# Altium PCB Archimajor.PcbDoc (part 7 of 13)
Units mil, origin at the board's own origin, x right, y up, seen from the top; angles counter-clockwise.
Board outline 7480.32 x 5511.81 mil, 6 copper layers (Top Layer, Top GND, Power Plane, Mid1, Bot GND, Bottom Layer), stack 69.913 mil thick; 1038 components, 682 nets, 3229 pads, 2870 vias.
Unrouted connection lines stored in the file: 97.
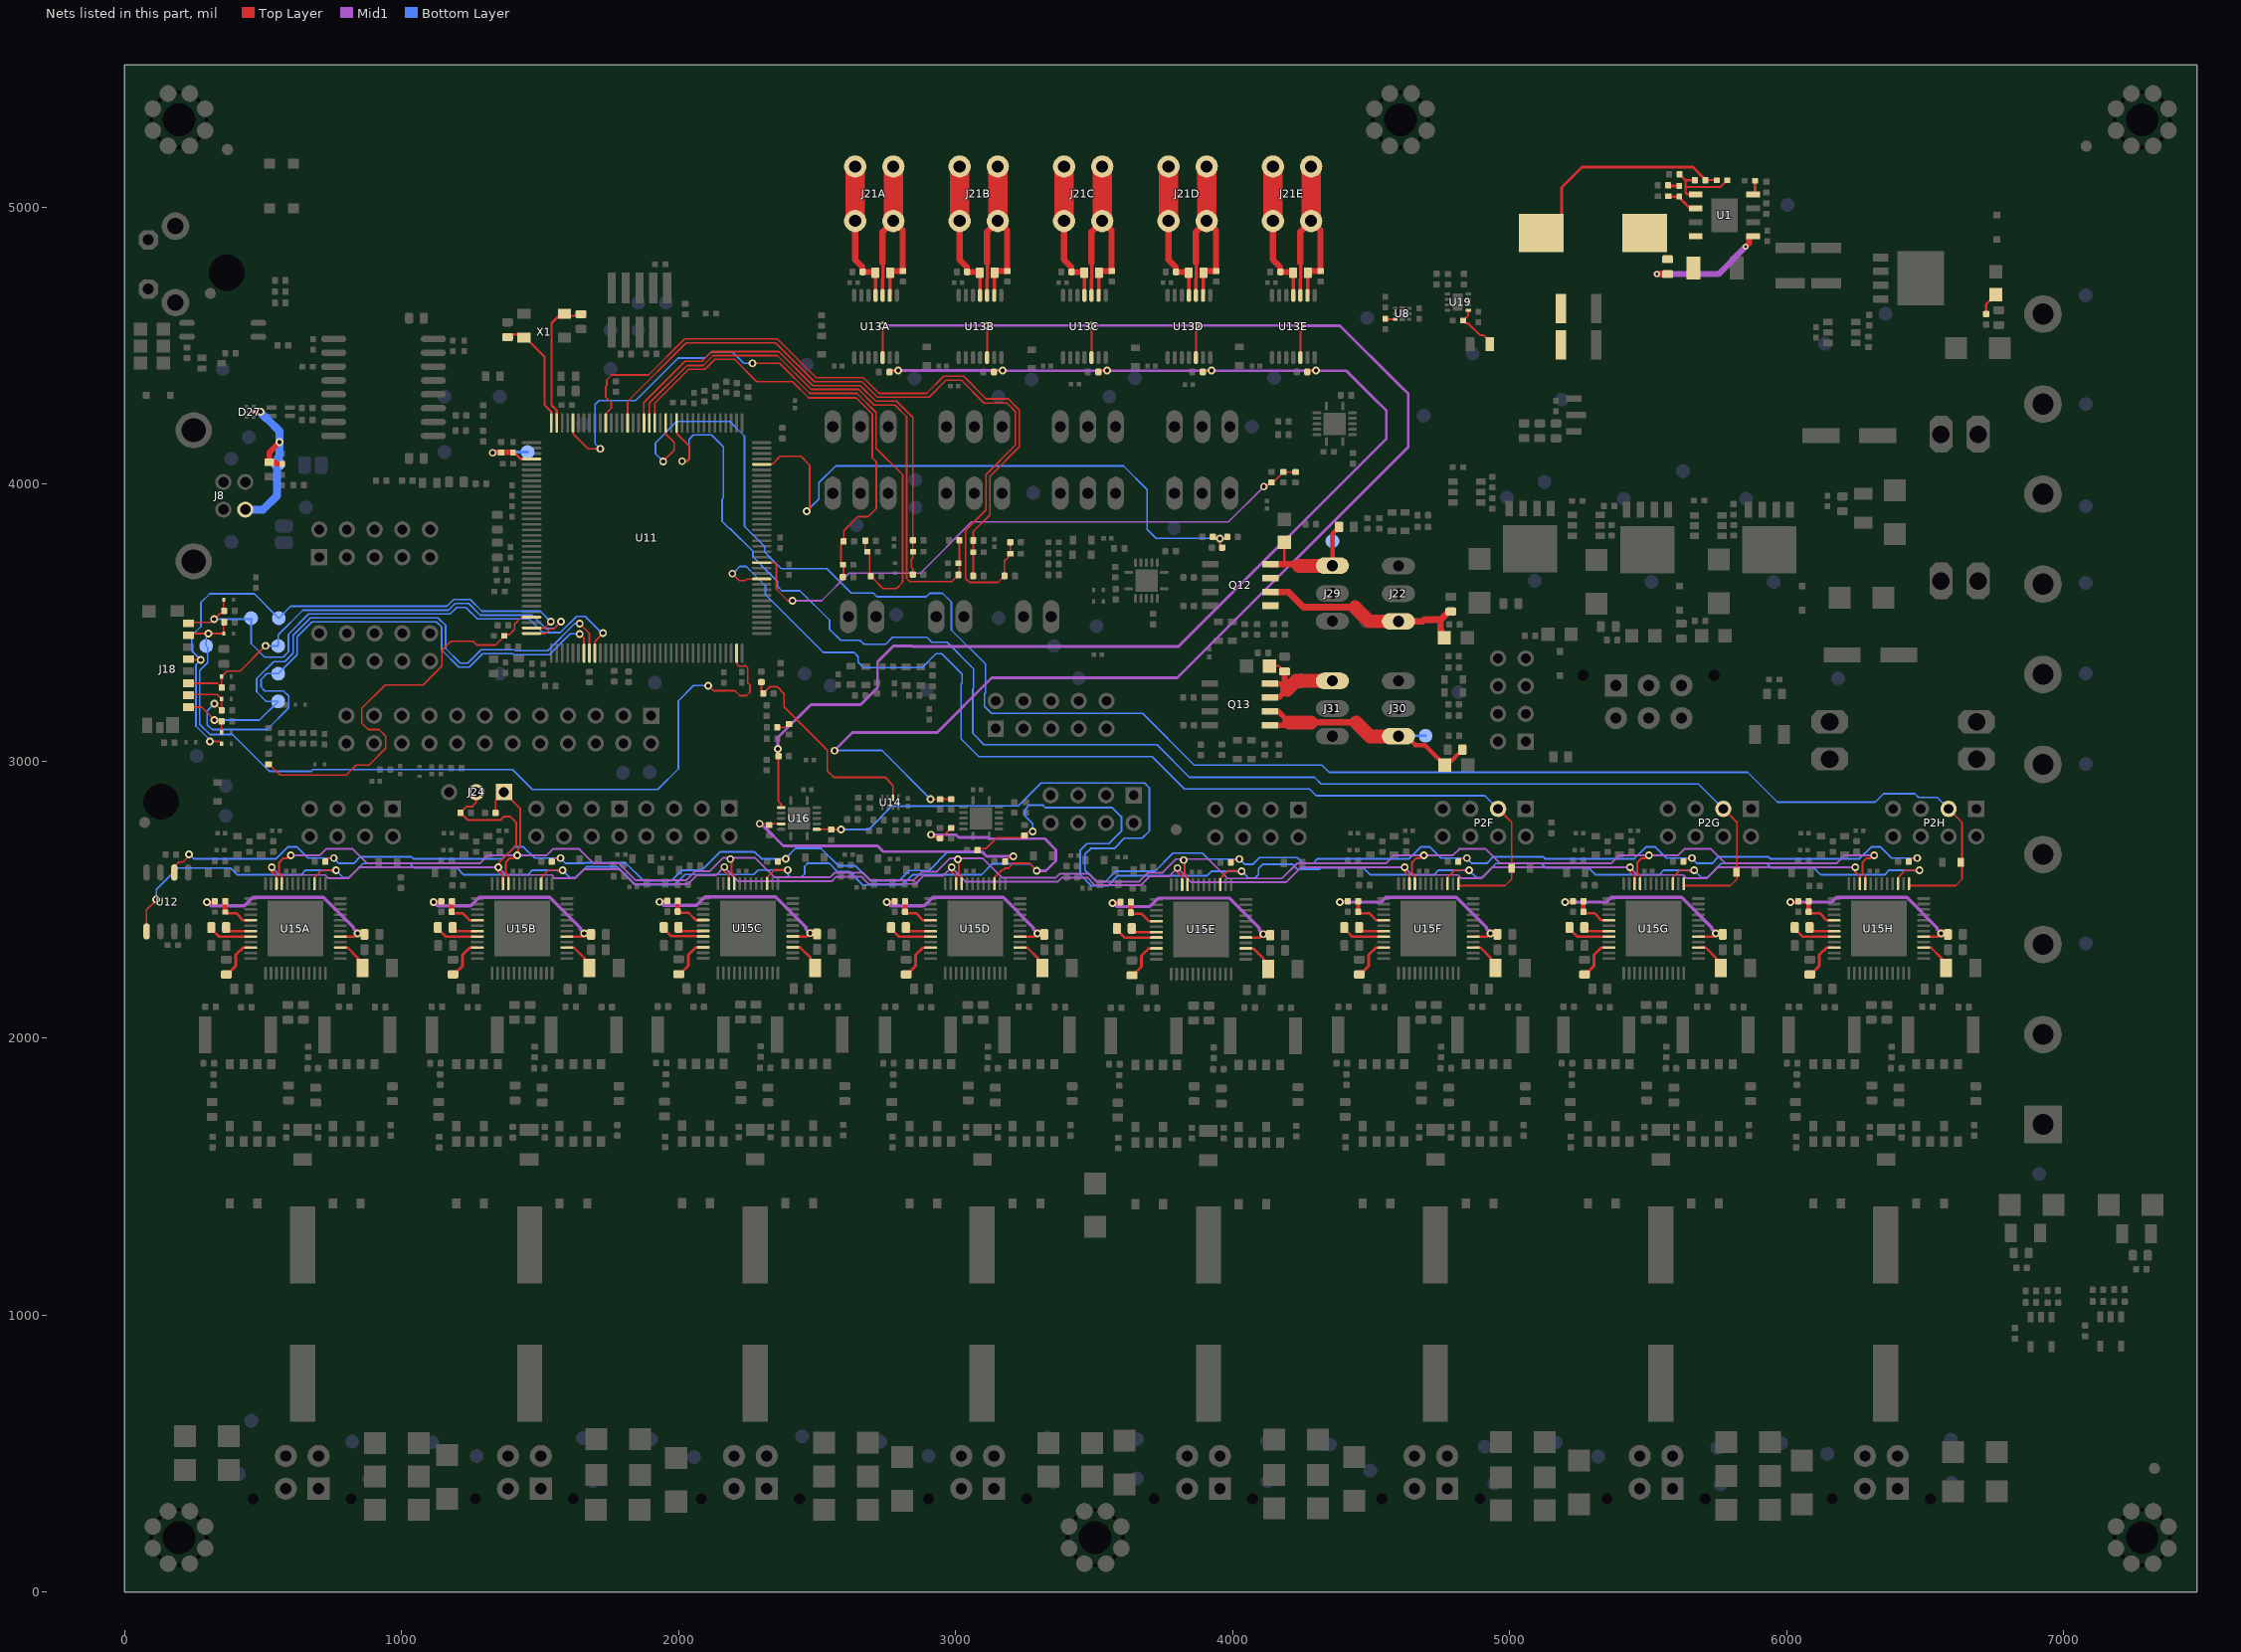
[diagram p11: the nets of this part, all layers, seen from the top]

## Via types
v1: diameter 28, hole 15, Top Layer to Bottom Layer, tented both sides, 2412 vias
v2: diameter 22, hole 10, Top Layer to Bottom Layer, 302 vias
v3: diameter 28, hole 15, Top Layer to Bottom Layer, 113 vias
v4: diameter 29, hole 15, Top Layer to Bottom Layer, tented both sides, 16 vias
v5: diameter 30, hole 15, Top Layer to Bottom Layer, 16 vias
v6: diameter 22, hole 10, Top Layer to Bottom Layer, tented both sides, 11 vias

## Nets (pads, with @x,y where several pads share a name; then routed paths per layer and width w, separated by ;. In a path a pad name is that pad's centre, name@x,y a point inside that pad or via, vN(x,y) a via of type N, cw(c..) or ccw(c..) an arc to the next point about the centre after c; other vN are vias at no path point) (continued)
M_nCS6: D40.K P2F.3 U11.119 U15F.13 | length 3951.2
  Top Layer w6: v1(2194.12,3676.48) 2219.69,3650.92 2241.38,3650.92 2247.45,3656.99 U11.119@2300.35,3656.99 ; U15F.13@4815.25,2556.51 4815.25,2549.61 4983.27,2549.61 5006.89,2573.23 5006.89,2778.54 P2F.3@4958.27,2827.17
  Bottom Layer w6: v1(2194.12,3676.48) 2195.59,3676.48 2221.03,3701.92 2244.03,3701.92 2255.83,3690.12 2255.83,3689.87 2313.68,3632.02 2313.68,3600.63 2522.8,3391.51 2634.09,3391.51 2648.74,3376.87 2648.74,3357.17 2668.54,3337.37 2880.1,3337.37 2929.32,3386.59 2950.04,3386.59 3023.4,3313.23 3023.4,3280.25 3020.24,3277.09 3020.24,3079.15 3083.71,3015.68 3709.03,3015.68 3826.15,2898.55 4277.72,2898.55 4301.46,2874.81 4910.62,2874.81 P2F.3@4958.27,2827.17
M_nCS7: D41.K P2G.3 U11.13 U15G.13 | length 5426
  Top Layer w6: U11.13@1993.27,4219.98 1993.27,4182.2 2038.26,4137.21 2038.26,4091.27 2028.82,4081.83 v1(2012.74,4081.83) ; U15G.13@5628.25,2556.51 5628.25,2549.61 5796.27,2549.61 5819.89,2573.23 5819.89,2778.54 P2G.3@5771.27,2827.17
  Bottom Layer w6: v1(2012.74,4081.83) 2031.82,4081.83 2038.03,4088.03 2038.03,4161.09 2053.94,4177.01 2119.34,4177.01 2162.12,4134.23 2162.12,3950.21 2157.57,3945.66 2157.57,3864.14 2182.38,3839.32 2185.58,3839.32 2268.42,3756.48 2268.42,3736.93 2297.83,3707.52 2297.83,3707.27 2357.59,3647.51 2357.59,3629.81 2372.86,3614.54 2438.7,3614.54 2545.06,3508.18 2545.06,3475.66 2585.19,3435.53 2652.18,3435.53 2654.64,3433.07 2658.46,3433.07 2670.01,3421.53 2748.16,3421.53 2772.51,3445.88 2896.86,3445.88 2914.16,3428.59 2969.45,3428.59 3065.4,3332.65 3065.4,3262.85 3062.24,3259.69 3062.24,3099.34 3103.13,3058.44 3726.74,3058.44 3843.87,2941.31 4295.43,2941.31 4319.94,2916.81 5681.62,2916.81 P2G.3@5771.27,2827.17
M_nCS8: D63.K P2H.3 U11.15 U15H.13 | length 6398.5
  Top Layer w6: v1(1944.4,4081.35) 1983.9,4120.85 1983.9,4150.4 1953.9,4180.4 U11.15@1953.9,4219.98 ; U15H.13@6441.25,2556.51 6441.25,2549.61 6609.27,2549.61 6632.89,2573.23 6632.89,2778.54 P2H.3@6584.27,2827.17
  Bottom Layer w6: v1(1944.4,4081.35) 1917,4108.75 1917,4148.86 1993.67,4225.53 2185,4225.53 2238.13,4172.4 2238.13,3846.17 2310.42,3773.88 2310.42,3754.33 2339.83,3724.92 2339.83,3724.67 2370.88,3693.62 2535.72,3693.62 2623.33,3606.01 2703.05,3606.01 2716.17,3592.89 2894.58,3592.89 2907.22,3605.53 2952.78,3605.53 2985,3573.31 2985,3472.44 3107.4,3350.04 3107.4,3245.46 3104.24,3242.3 3104.24,3197.03 3129.62,3171.65 3674.82,3171.65 3861.04,2985.43 4322.08,2985.43 4348.27,2959.25 5858.93,2959.25 5966.98,2851.2 6319.93,2851.2 6350.42,2881.69 6462.1,2881.69 6475.31,2868.48 6542.95,2868.48 P2H.3@6584.27,2827.17
MAX_ES1: C86.1 R23.1 R35.1 U11.32 | length 2444.8
  Top Layer w6: U11.32@1619.25,4219.98 1619.25,4181.06 1673.33,4126.99 v1(1717.51,4126.99) ; v1(2266.45,4435.41) 2365,4435.41 2473.29,4327.12 2644.19,4327.12 2713.52,4257.79 2713.52,4129.09 2808.77,4033.83 2808.77,3645.05 2786.14,3622.42 2738.7,3622.42 2703.4,3657.71 2703.16,3657.71 2694.4,3666.47 R23.1@2694.4,3666.71 2688.73,3672.39 2690.07,3673.73 2690.07,3747.02 2673.85,3763.25 R35.1@2673.85,3796.44
  Bottom Layer w6: v1(1717.51,4126.99) 1698.85,4145.65 1698.85,4285.99 1713.5,4300.64 1845.15,4300.64 1999.06,4454.55 2095.52,4454.55 2118.16,4477.19 2194.27,4477.19 2236.05,4435.41 v1(2266.45,4435.41)
MAX_ES2: C158.1 R73.1 R74.1 U11.18 | length 2073.9
  Top Layer w6: U11.18@1894.84,4219.98 1894.84,4291.75 2030.63,4427.53 2031.37,4427.53 2031.59,4427.76 2089.39,4427.76 2125.17,4463.53 2356.68,4463.53 2479.09,4341.12 2649.99,4341.12 2706.1,4285.01 2781.03,4285.01 2823.54,4242.5 2823.54,3659.02 2834.7,3647.86 2986.67,3647.86 R74.1@3010.31,3671.5
  Top Layer w8: R74.1@3010.31,3671.5 3013.85,3675.04 3013.85,3713.02 R73.1@3013.85,3796.12
MAX_ES3: C160.1 R78.1 R79.1 U11.22 | length 2684.3
  Top Layer w6: U11.22@1816.1,4219.98 1816.1,4297.94 2027.39,4509.23 2350.58,4509.23 2490.69,4369.12 2661.59,4369.12 2717.7,4313.01 2904.53,4313.01 2965.65,4375.09 3019.84,4375.09 3103.13,4291.8 3185.73,4291.8 3215.83,4261.7 3215.83,4140.01 3109.53,4033.71 3109.53,3905.76 3036.69,3832.92 3036.69,3658.71 3050.47,3644.93 3153.44,3644.93 R79.1@3176.52,3668.01 3176.52,3721.07 3190.24,3734.79 3190.24,3744.34 3194.17,3748.27 C160.1@3197.69,3748.27 3197.69,3789.61 R78.1@3197.62,3789.69
MAX_ES4: C216.1 R192.1 R193.1 U11.122 | length 2229
  Top Layer w6: U11.122@2300.35,3716.05 2346.05,3716.05 2353.07,3709.03 2353.07,3619.54 2394.48,3578.13 v1(2411.14,3578.13) ; v1(4112.91,3990.53) 4118.86,3990.53 4126.29,3997.96 4133.33,3997.96 R193.1@4140.47,4005.09 4147.6,4012.23 4153.11,4012.23 4175.64,4034.75 4175.64,4035 4183.53,4042.89 R192.1@4183.77,4042.89 4183.97,4042.69 C216.1@4227.08,4042.69
  Mid1 w6: v1(2411.14,3578.13) 2516.45,3578.13 2616.47,3678.14 2873.65,3678.14 3058.07,3862.56 3984.94,3862.56 v1(4112.91,3990.53)
MCCDA: D66.C J18.3 R65.2 TP15.1 U11.72 | length 1701
  Top Layer w6: J18.3@231.9,3280.57 335.45,3280.57 R65.2@350.08,3265.94 ; R65.2@350.08,3261.01 R65.2@350.08,3265.94 ; R65.2@351.01,3265.01 R65.2@350.08,3265.94 ; v1(509,3415.53) 418.14,3324.67 369.94,3324.67 D66.C@350.28,3305.01 350.08,3304.8 350.08,3283.76 ; U11.72@1469.65,3460.14 1518.63,3460.14 1535.79,3477.3 1550.71,3477.3 v1(1575.87,3502.46) ; R65.2@350.08,3265.94 350.08,3283.46 ; 350.08,3283.46 350.38,3283.76 350.08,3283.76 ; 350.08,3283.46 350.08,3283.76
  Bottom Layer w6: v1(509,3415.53) 509.52,3415.01 TP15.1@555,3415.01 555,3455.53 644,3544.53 1169.6,3544.53 1193.6,3568.53 1242.4,3568.53 1284.4,3526.53 1472,3526.53 1521,3477.53 1550.94,3477.53 v1(1575.87,3502.46)
MCCK: D67.C J18.5 TP21.1 U11.71 | length 2099.9
  Top Layer w6: J18.5@231.9,3365.01 v1(275,3365.01) ; v1(307.98,3070.13) 342.46,3070.13 D67.C@350.28,3062.3 ; U11.71@1469.65,3479.83 1516.3,3479.83 v1(1539,3502.53)
  Bottom Layer w6: v1@313.98,3070.13 258,3126.1 258,3348.01 v1(275,3365.01) 275,3365.99 243.11,3397.88 243.11,3452.02 276.06,3484.97 276.06,3571.58 308.07,3603.59 468.5,3603.59 TP21.1@557.09,3515.01 600.61,3558.53 1163.8,3558.53 1187.8,3582.53 1248.2,3582.53 1290.2,3540.53 1501,3540.53 v1(1539,3502.53)
MCDA0: D65.C J18.7 R70.2 TP14.1 U11.107 | length 3099.3
  Top Layer w6: J18.7@231.9,3453.8 238.04,3459.94 v1@303,3459.94 ; v1(303,3459.53) v1@303,3459.94 ; v1@303,3460.53 v1@303,3459.94 ; R70.2@358,3497.01 358,3484.5 358.28,3484.21 D65.C@358.28,3459.94 v1@303,3459.94 ; v1(2107.03,3271.81) 2125.49,3253.35 2203.74,3253.35 2221.85,3235.24 2245.58,3235.24 2258.09,3247.75 2258.09,3273.85 2250.24,3281.71 2250.24,3335.69 2242.93,3343.01 2236.24,3343.01 2236.08,3342.84 2217.32,3342.84 2209.8,3350.36 U11.107@2209.8,3389.28
  Bottom Layer w6: v1@309,3459.53 295,3445.53 TP14.1@295,3415.01 300.57,3409.43 300.57,3354.48 272,3325.9 272,3131.9 308.77,3095.13 390.5,3095.13 522.98,2962.65 674.61,2962.65 680.71,2968.75 1400.28,2968.75 1472.38,2896.65 1924.55,2896.65 1999.72,2971.83 1999.72,3216.9 2054.62,3271.81 v1(2107.03,3271.81)
MCDA1: D64.C J18.8 R69.2 TP20.1 U11.81 | length 1982.2
  Top Layer w6: J18.8@231.9,3497.1 235.09,3500.29 292.31,3500.29 ; 298.31,3500.29 292.31,3500.29 ; v1@321,3509.01 312.28,3500.29 292.31,3500.29 ; v1@324.23,3511.55 345.46,3532.77 350.76,3532.77 R69.2@360,3542.01 358.28,3543.72 D64.C@358.28,3582.01 ; U11.81@1697.99,3389.28 1698.72,3390 1698.72,3432.45 v1(1727.45,3461.17)
  Bottom Layer w6: v1@329.72,3512.06 454.13,3512.06 TP20.1@457.09,3515.01 457.09,3512.06 457.09,3423.92 506,3375.01 573,3375.01 592,3394.01 592,3457.53 665,3530.53 1175.4,3530.53 1199.4,3554.53 1232,3554.53 1274,3512.53 1461,3512.53 1510,3463.53 1573.48,3463.53 1631.96,3522.01 1663.4,3522.01 1724.23,3461.17 v1(1727.45,3461.17)
  other v1: 323.72,3512.06
MCDA2: D69.C J18.1 R68.1 TP16.1 U11.80 | length 2181.3
  Top Layer w6: J18.1@231.9,3193.95 278.57,3193.95 319.49,3153.04 324.49,3153.04 v1@328.52,3149.01 ; v1@332.52,3145.01 v1@328.52,3149.01 ; R68.1@347.39,3145.01 R68.1@349.39,3143.01 ; D69.C@350.28,3103.01 350.28,3142.12 R68.1@349.39,3143.01 ; R68.1@351.1,3143.01 R68.1@349.39,3143.01 ; v1(1643,3495.53) 1678.31,3460.22 U11.80@1678.31,3389.28 ; v1@328.52,3149.01 327.04,3147.53 v1(325,3147.53) 326.48,3149.01 v1@328.52,3149.01
  Top Layer w16: v1@332.52,3145.01 R68.1@347.39,3145.01
  Bottom Layer w6: v1(325,3147.53) 487.52,3147.53 TP16.1@555,3215.01 511.52,3215.01 477,3249.53 477,3297.53 538.48,3359.01 579,3359.01 609,3389.01 609,3453.53 672,3516.53 1131.8,3516.53 1159,3489.33 1159,3406.13 1212.5,3352.62 1238.61,3352.62 1283.52,3397.53 1283.72,3397.53 1287.2,3401.01 1407.15,3401.01 1410.63,3397.53 1527.62,3397.53 1625.62,3495.53 v1(1643,3495.53)
MCDA3: D68.C J18.2 R67.1 TP22.1 U11.79 | length 2333.8
  Top Layer w6: J18.2@231.9,3237.26 235.09,3240.45 333.84,3240.45 D68.C@350.28,3224.01 R67.1@350.28,3184.24 ; v1(325,3207.01) 327.52,3207.01 R67.1@350.28,3184.24 ; v1(1643,3458.53) 1645,3458.53 1658.62,3444.91 U11.79@1658.62,3389.28 ; R67.1@350.28,3184.24 350.28,3183.83 R67.1@351.1,3183.01 351.1,3183.43 R67.1@350.28,3184.24
  Bottom Layer w6: v1@331,3207.01 328,3204.01 322,3204.01 299,3181.01 299,3131.01 316.48,3113.53 514.52,3113.53 593,3192.01 593,3234.01 574,3253.01 506.52,3253.01 493,3266.53 493,3293.73 514.28,3315.01 TP22.1@555,3315.01 623,3383.01 623,3447.73 677.8,3502.53 1126,3502.53 1145,3483.53 1145,3400.33 1206.7,3338.62 1244.61,3338.62 1293,3387.01 1401.35,3387.01 1404.84,3383.53 1533.89,3383.53 1608.89,3458.53 v1(1643,3458.53)
MIN_ES1: C84.1 R19.1 R22.1 U11.17 | length 1677
  Top Layer w6: U11.17@1914.53,4219.98 1914.53,4290.89 2037.39,4413.76 2095.19,4413.76 2130.96,4449.53 2202.14,4449.53 2282.2,4369.46 2411.15,4369.46 2469.91,4310.71 2640.8,4310.71 2699.52,4251.99 2699.52,4094.86 2714,4080.38 2714,3911.69 2683.83,3881.53 2646.6,3881.53 2595.98,3830.91 R19.1@2595.98,3792.69 2595.98,3790.93 2586.38,3781.34 2586.38,3711.94 2595.54,3702.78 R22.1@2595.54,3662.91
MIN_ES2: C157.1 R63.1 R72.1 U11.19 | length 1790.3
  Top Layer w6: U11.19@1875.16,4219.98 1875.16,4293.28 2024.18,4442.3 2084.14,4442.3 2119.37,4477.53 2362.48,4477.53 2484.89,4355.12 2655.79,4355.12 2711.9,4299.01 2786.82,4299.01 2845.99,4239.84 R63.1@2845.99,3796.41 C157.1@2846.01,3755.07 2846.01,3733.4 2840.86,3728.24 2840.86,3698.6 2845.87,3693.59 R72.1@2845.87,3672.67
MIN_ES3: C159.1 R75.1 R76.1 U11.26 | length 2549.3
  Top Layer w6: U11.26@1737.36,4219.98 1737.36,4253.43 1748.85,4264.92 1748.85,4265.98 1757.34,4274.46 1757.34,4293.51 1737.09,4313.75 1737.09,4351.31 1740.81,4355.02 1740.81,4375.34 1759,4393.53 1891.89,4393.53 2021.59,4523.23 2356.38,4523.23 2496.49,4383.12 2667.39,4383.12 2723.5,4327.01 2895.36,4327.01 2957.44,4389.09 3028.48,4389.09 3110.24,4307.33 3190.24,4307.33 3230.59,4266.98 3230.59,4134.1 3123.53,4027.04 3123.53,3888.26 3063.84,3828.58 R75.1@3063.84,3795.75 C159.1@3063.84,3753.42 ; R76.1@3063.84,3669.16 C159.1@3063.84,3753.42 ; C159.1@3064.08,3753.42 C159.1@3063.84,3753.42
MIN_ES4: C214.1 R190.1 R191.1 U11.140 | length 2246.9
  Top Layer w6: U11.140@2300.35,4070.38 2301.08,4071.11 2334.86,4071.11 2335.8,4072.05 2339.19,4072.05 2366.63,4099.49 2441.85,4099.49 2473.54,4067.79 2473.54,3911.32 v1@2465.7,3903.48 ; R191.1@3928.57,3809.29 3935.32,3802.53 v1(3954.44,3802.53) ; C214.1@3962.32,3770.05 3954.44,3777.93 v1(3954.44,3802.53) ; R190.1@3980.67,3809.3 3973.91,3802.53 v1(3954.44,3802.53)
  Bottom Layer w6: v1(2462.25,3901.01) 2506.61,3945.38 2506.61,4004.12 2567.62,4065.13 3606.21,4065.13 3691.65,3979.7 3691.65,3836 3723.69,3803.96 3953.02,3803.96 v1(3954.44,3802.53)
MISO_M1BUS: C75.1 R86A.1 R86B.1 R86C.1 R86D.1 U12.2 U16.5 | length 4559.2
  Top Layer w6.55: U12.2@180.02,2597.27 180.02,2619.61 186.44,2626.03 ; 186.44,2626.07 195.59,2635.21 211.33,2635.21 232.99,2656.87 v1(232.99,2662.77) ; R86A.1@724.61,2636.22 724.61,2636.46 733.36,2645.22 733.61,2645.22 737.4,2649.02 v1(755.91,2649.02) ; R86B.1@1542.52,2636.22 1542.52,2636.46 1551.28,2645.22 1551.52,2645.22 1555.31,2649.02 v1(1573.82,2649.02) ; v1(2293.03,2773.01) U16.5@2370.56,2773.01 ; R86C.1@2357.79,2637.18 2363.52,2642.91 2383.33,2642.91 v1(2387.44,2647.01) ; R86D.1@3178.35,2636.22 3178.35,2636.46 3187.1,2645.22 3187.35,2645.22 3198,2655.87 v1(3208.35,2655.87)
  Mid1 w10.1: v1@2292.95,2777.93 2310.08,2760.8 2310.77,2760.8 2378.28,2693.28 2718.52,2693.28 2739.19,2672.61 3095.24,2672.61 3111.98,2655.87 v1(3208.35,2655.87)
  Bottom Layer w6.55: v1(232.99,2662.77) 234.78,2662.77 250.5,2647.05 547.24,2647.05 589.57,2689.37 623.03,2689.37 663.39,2649.02 v1(755.91,2649.02) 774.61,2630.31 827.76,2630.31 851.38,2653.94 1035.43,2653.94 1042.32,2647.05 1365.16,2647.05 1407.48,2689.37 1440.94,2689.37 1481.3,2649.02 v1(1573.82,2649.02) 1592.52,2630.31 1659.54,2630.31 1661.27,2632.05 1809.04,2632.05 1873.09,2568 1975.42,2568 2013.11,2605.68 2083.97,2605.68 2149.6,2671.31 2275.23,2671.31 2299.53,2647.01 v1(2387.44,2647.01) 2387.44,2649.97 2421.9,2684.42 2514.48,2684.42 2577.81,2621.1 2639.58,2621.1 2693.64,2567.04 2795.98,2567.04 2833.66,2604.72 2904.53,2604.72 2970.16,2670.35 3095.79,2670.35 3110.11,2656.03 3109.95,2655.87 v1(3208.35,2655.87)
MISO_M2BUS: C87.1 R86E.1 R86F.1 R86G.1 R86H.1 U16.9 | length 5156.3
  Top Layer w6.5: U16.9@2498.96,2753.32 2549.92,2753.32 C87.1@2550.9,2752.34 v1(2586.33,2752.34)
  Top Layer w6.55: R86E.1@3993.62,2633.24 3993.62,2633.49 4002.38,2642.24 4002.62,2642.24 4006.41,2646.04 v1(4024.92,2646.04) ; R86F.1@4814.17,2636.22 4814.17,2636.46 4822.93,2645.22 4823.17,2645.22 4826.97,2649.02 v1(4845.47,2649.02) ; R86G.1@5627.17,2636.22 5627.17,2636.46 5635.93,2645.22 5636.17,2645.22 5639.97,2649.02 v1(5658.47,2649.02) ; R86H.1@6440.17,2636.22 6440.17,2636.46 6448.93,2645.22 6449.17,2645.22 6452.97,2649.02 v1(6471.47,2649.02)
  Bottom Layer w6.5: v1(2586.33,2752.34) 2685.74,2752.34 2770.73,2837.32 2948.88,2837.32 2949.52,2837.97 3227.08,2837.97 3309.76,2920.64 3681.81,2920.64 3699.52,2902.93 3699.52,2746.43 3673.93,2720.84 3608.97,2720.84 3572.19,2684.06 3487.86,2684.06 3467.24,2663.44 3467.24,2605.74
  Bottom Layer w6.55: 3467.24,2605.74 3508.91,2564.06 3541.31,2564.06 3578.99,2601.75 3719.8,2601.75 3785.43,2667.38 3890.78,2667.38 3912.12,2646.04 v1(4024.92,2646.04) 4043.62,2627.34 4074.13,2627.34 4097.75,2650.96 4233.97,2650.96 4255.62,2629.31 4290.07,2629.31 4307.81,2647.05 4636.81,2647.05 4679.13,2689.37 4712.6,2689.37 4752.95,2649.02 v1(4845.47,2649.02) 4864.17,2630.31 4917.32,2630.31 4940.94,2653.94 5120.09,2653.94 5126.98,2647.05 5449.81,2647.05 5492.13,2689.37 5525.6,2689.37 5565.95,2649.02 v1(5658.47,2649.02) 5677.17,2630.31 5730.32,2630.31 5753.94,2653.94 5933.09,2653.94 5939.98,2647.05 6262.81,2647.05 6305.13,2689.37 6338.6,2689.37 6378.95,2649.02 v1(6471.47,2649.02)
MISO_TCBUS: C74.1 R88A.2 R88B.2 R88C.2 R88D.2 R88E.2 U16.2 | length 5052
  Top Layer w6.5: C74.1@2358.75,3017.1 C74.1@2358.75,3021.04 ; v1@2358.75,3043.68 C74.1@2358.75,3021.04 ; U16.2@2370.56,2832.06 2370.56,2843.87 2360.72,2853.72 2360.72,3019.07 C74.1@2358.75,3021.04
  Top Layer w10.1: R88A.2@2761.41,4403.91 2765.95,4408.45 2791.41,4408.45 v1(2792.86,4409.9) ; R88B.2@3138.41,4403.91 3142.95,4408.45 3168.41,4408.45 v1(3169.85,4409.9) ; R88C.2@3515.41,4403.91 3519.94,4408.45 3545.41,4408.45 v1(3546.85,4409.9) ; R88D.2@3892.41,4403.91 3896.94,4408.45 3922.4,4408.45 v1(3923.85,4409.9) ; R88E.2@4269.4,4403.91 4273.94,4408.45 4299.4,4408.45 v1(4300.85,4409.9)
  Mid1 w10.1: v1(2358.97,3043.68) 2358.97,3084.03 2478.07,3203.13 2657.2,3203.13 2718.22,3264.15 2718.22,3357.65 2776,3415.43 2842.16,3415.43 2844.33,3413.26 3804.36,3413.26 4555.12,4164.02 4555.12,4264.5 4504.19,4315.42 4410.78,4408.83 4310.62,4408.83 3927.75,4408.83 3553.74,4408.83 v1@3180.7,4408.83 ; v1@2792.86,4409.82 v1@3179.72,4409.82
MOSI_M1BUS: C88.1 R59.1 U12.5 U15A.15 U15B.15 U15C.15 U15D.15 | length 4921.9
  Top Layer w6: U12.5@80.02,2384.68 80.02,2462.87 114.88,2497.73 v1(114.88,2499.39)
  Top Layer w6.5: v1(2911.14,2733.64) 2916.06,2733.64 2925.67,2724.02 2940.44,2724.02 C88.1@2943.62,2720.84 2950.66,2727.88 2953.87,2727.88 2976.21,2750.23 2976.21,2750.61 2983.87,2758.27 R59.1@2984.25,2758.27
  Top Layer w6.55: U15A.15@686.31,2556.51 686.31,2579.32 712.95,2605.96 742.77,2605.96 747.03,2601.7 766.63,2601.7 763.78,2604.55 v1(763.78,2605.71) ; U15B.15@1504.23,2556.51 1504.23,2579.32 1530.86,2605.96 1560.68,2605.96 1564.94,2601.7 1584.54,2601.7 1581.69,2604.55 v1(1581.69,2605.71) ; U15C.15@2319.5,2557.47 2319.5,2580.28 2346.13,2606.92 2375.95,2606.92 2380.21,2602.66 2399.81,2602.66 2396.39,2606.08 v1(2394.21,2606.08) ; U15D.15@3140.05,2556.51 3140.05,2579.32 3166.69,2605.96 3172.15,2605.96 3179.13,2612.95 3191.44,2612.95 3209.09,2630.6 3228.41,2630.6 ; 3228.44,2630.63 3266.11,2630.63 v1(3293.03,2603.72)
  Mid1 w10.1: v1(2911.14,2733.64) 3001.13,2733.64 3010.85,2723.91 3116.49,2723.91 3121.01,2719.39 3322.03,2719.39 3361.92,2679.5 3361.92,2639.15 3326.49,2603.72 v1(3293.03,2603.72)
  Bottom Layer w6: v1(114.88,2499.39) 114.88,2535.8 192.66,2613.58 278.54,2613.58
  Bottom Layer w6.55: 278.54,2613.58 382.87,2613.58 407.48,2588.98 637.79,2588.98 654.53,2605.71 v1(763.78,2605.71) 763.78,2604.91 789.55,2579.13 811.02,2579.13 861.22,2629.33 1030.51,2629.33 1046.26,2613.58 1200.79,2613.58 1225.39,2588.98 1455.71,2588.98 1472.44,2605.71 v1(1581.69,2605.71) 1581.69,2604.91 1607.47,2579.13 1628.94,2579.13 1667.3,2617.5 1779.74,2617.5 1843.79,2553.45 1987.45,2553.45 2023.93,2589.94 2272.17,2589.94 2288.31,2606.08 v1(2394.21,2606.08) 2395.79,2604.49 2395.79,2587.07 2402.44,2580.41 2423.05,2580.41 ; 2423.05,2580.41 2443.85,2580.41 2455.5,2592.06 2455.5,2619.64 2466.82,2630.96 2543.34,2630.96 2574.85,2599.45 2617.39,2599.45 2664.35,2552.49 2808,2552.49 2844.49,2588.98 3092.73,2588.98 3132.74,2628.99 3267.75,2628.99 v1(3293.03,2603.72)
MOSI_M2BUS: C89.1 R89.1 U15E.15 U15F.15 U15G.15 U15H.15 | length 4741
  Top Layer w6.55: R89.1@3079.38,2683.27 3109.79,2683.27 3149.57,2723.05 3236.17,2723.05 3236.78,2723.65 3241.7,2723.65 C89.1@3248.74,2730.69 3248.34,2730.69 3248.05,2730.98 3259.7,2742.64 3275.42,2742.64 v1(3278.23,2745.44) ; U15E.15@3955.33,2553.53 3955.33,2576.35 3981.96,2602.98 4011.78,2602.98 4016.04,2598.72 4035.64,2598.72 v1(4032.2,2602.14) ; U15F.15@4775.88,2556.51 4775.88,2579.32 4802.52,2605.96 4832.33,2605.96 4836.6,2601.7 4856.2,2601.7 4853.35,2604.55 v1(4853.35,2605.71) ; U15G.15@5588.88,2556.51 5588.88,2579.32 5615.52,2605.96 5645.33,2605.96 5649.6,2601.7 5669.2,2601.7 5666.35,2604.55 v1(5666.35,2605.71) ; U15H.15@6401.88,2556.51 6401.88,2579.32 6428.52,2605.96 6458.33,2605.96 6462.6,2601.7 6482.2,2601.7 6479.35,2604.55 v1(6479.35,2605.71)
  Bottom Layer w6.55: v1@3278.26,2745.48 3278.26,2773.01 3251.02,2800.25 3251.02,2825.49 3266.45,2840.92 3314.68,2840.92 3324.29,2831.31 3565.95,2831.31 3598.38,2798.89 3598.38,2746.76 3552.78,2701.16 3474.13,2701.16 3449.52,2676.55 3449.52,2590.92 3490.93,2549.51 3549.4,2549.51 3585.88,2586 3908,2586 3924.13,2602.14 v1(4032.2,2602.14) 4033.22,2602.14 4043.23,2592.12 4043.23,2591.28 4058.03,2576.48 4058.88,2576.48 4079.68,2576.47 4093.78,2590.57 4093.78,2611.77 4109.03,2627.03 4216.57,2627.03 4234.96,2608.64 4312.97,2608.64 4317.91,2613.58 4472.44,2613.58 4497.05,2588.98 4727.36,2588.98 4744.09,2605.71 v1(4853.35,2605.71) 4853.35,2604.91 4879.12,2579.13 4900.59,2579.13 4950.79,2629.33 5115.16,2629.33 5130.91,2613.58 5285.44,2613.58 5310.05,2588.98 5540.36,2588.98 5557.09,2605.71 v1(5666.35,2605.71) 5666.35,2604.91 5692.12,2579.13 5713.59,2579.13 5763.79,2629.33 5928.16,2629.33 5943.91,2613.58 6098.44,2613.58 6123.05,2588.98 6353.36,2588.98 6370.09,2605.71 v1(6479.35,2605.71) v1@6479.35,2604.91
MOSI_TCBUS: C83.1 R84.1 U13A.12 U13B.12 U13C.12 U13D.12 U13E.12 | length 5784.7
  Top Layer w6: v1(2909.17,2862.57) 2910.15,2861.59 C83.1@2944.6,2861.59 2944.82,2861.81 R84.1@2984.25,2861.81